# KiCad board 32X_VA2.kicad_pcb (continued)
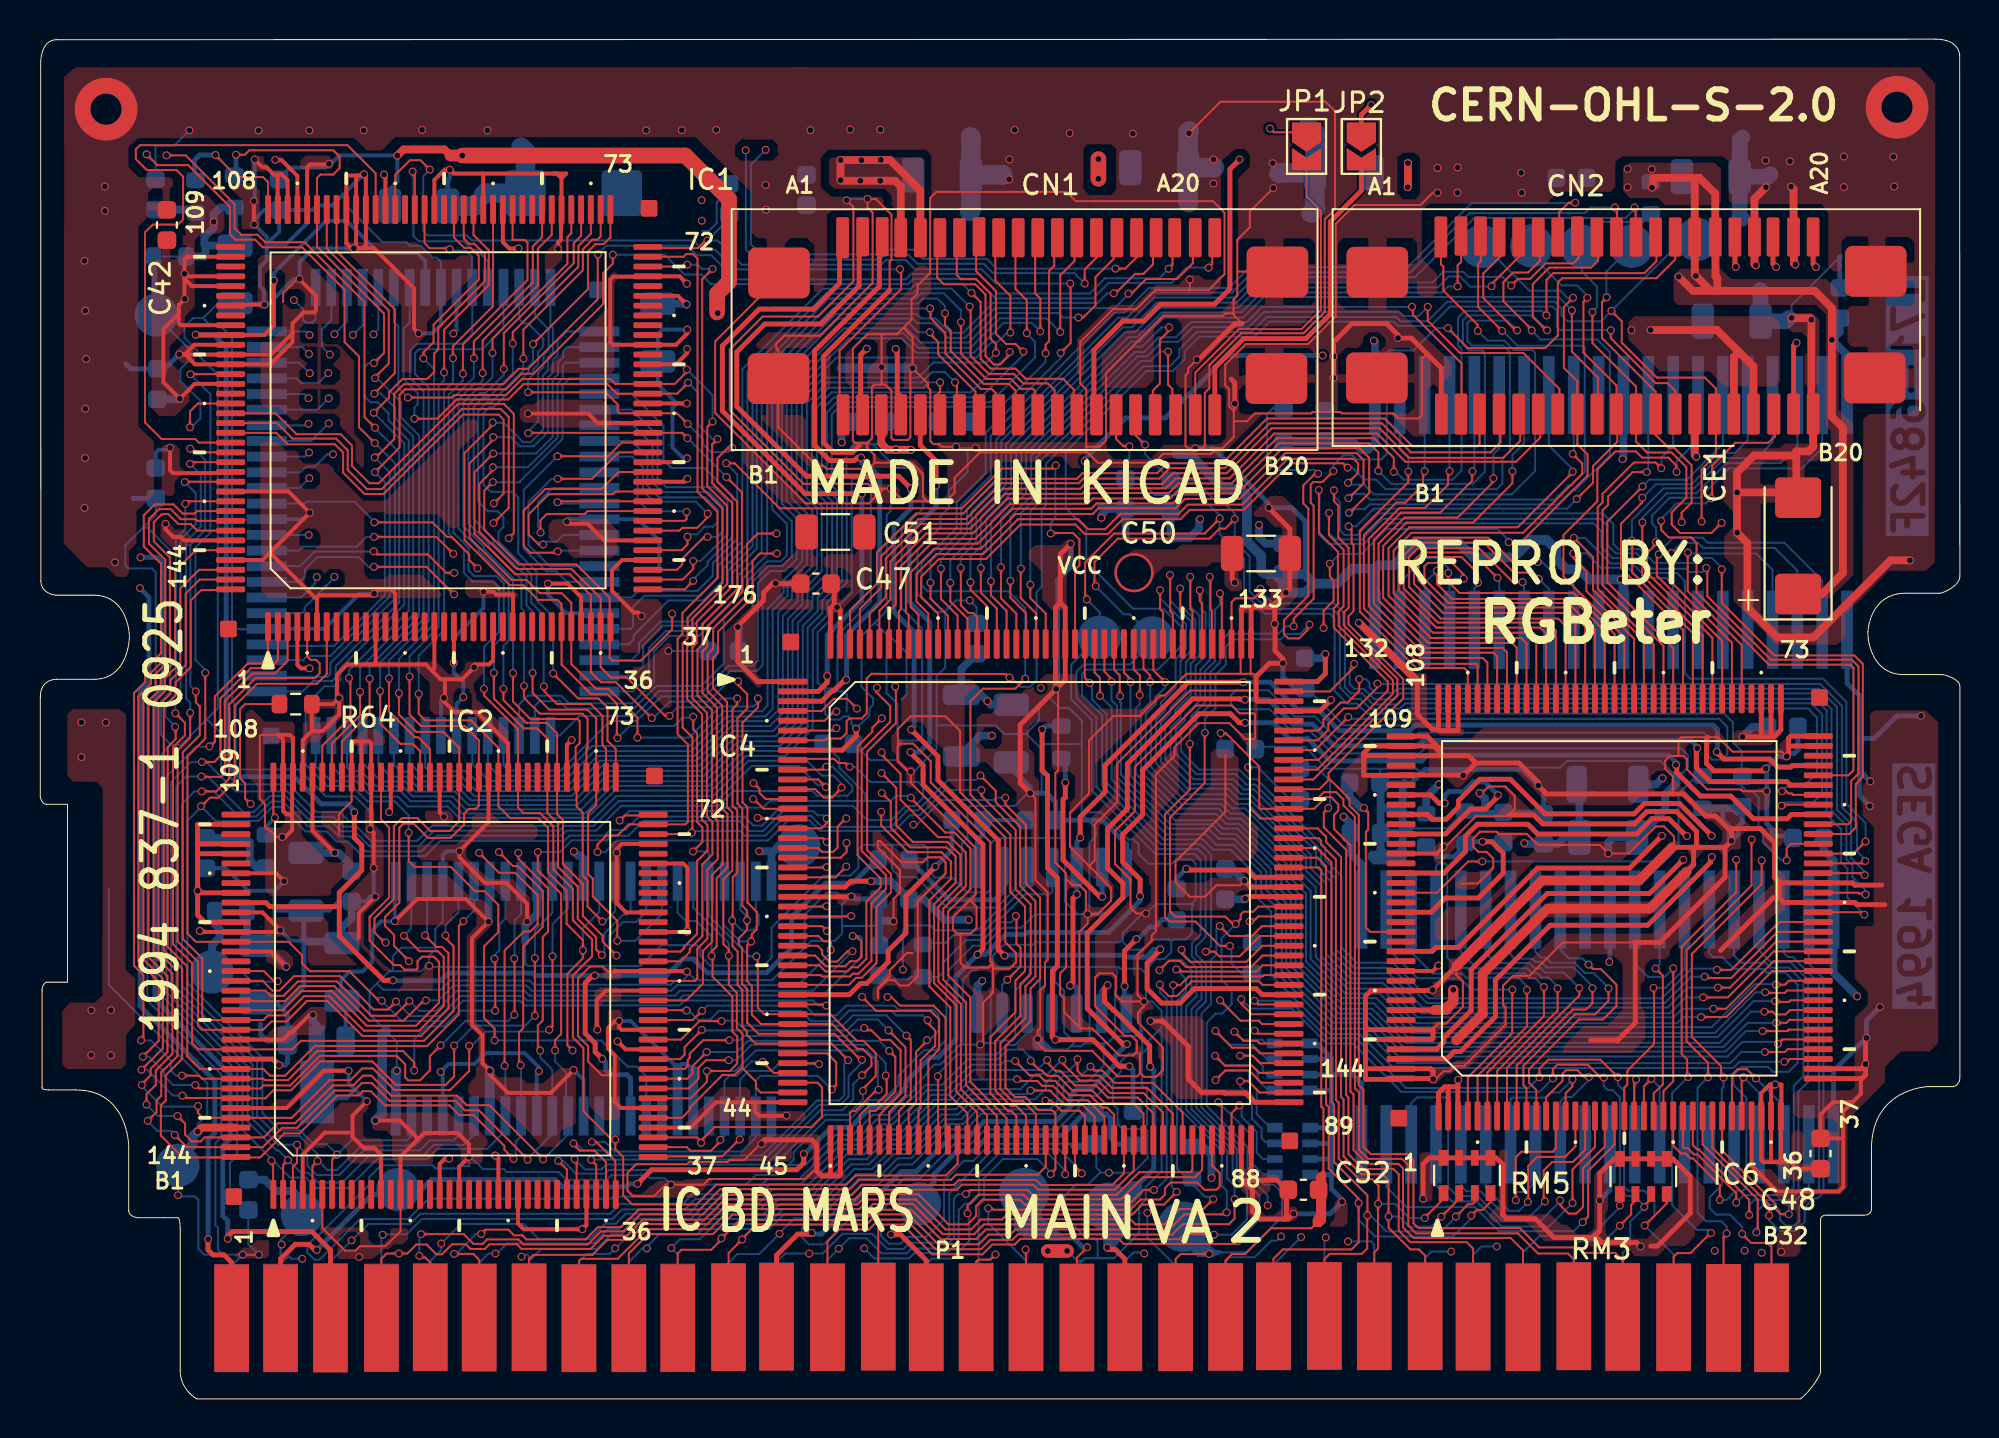
[diagram p0: board, top side]
## Routing (per net, layer and track width the routed paths; a pad name or vN(x,y) marks a point on that pad's centre or on a via; arc(x,y) is an arc through that point) (continued)
  Bottom w0.1: P1.a12 37.69,6.99 38.13,7.43 v1(39.36,7.43) 40.05,7.43 41.06,8.44 42.57,8.44 43.35,7.66 44.18,7.66 44.5,7.98 46.18,7.98 46.52,8.32 46.52,10.51 48.79,12.78 52.1,12.78 53.29,11.59 v1(53.29,11.52) ; v1(15.02,48.28) 14.72,48.28 14.09,47.65 13.64,47.65 13.35,47.36 IC5.15
VA16: length 97.1
  Top w0.1: IC4.69 52.45,11.48 v1(52.44,11.48)
  In1.Cu w0.1: v1(42.17,7.7) 40.99,6.52 38.76,6.52 38.12,7.16 35.29,7.16 34.29,8.16 32.18,8.16 31.91,7.89 31.91,7.52 31.38,6.99 29.58,6.99 28.81,7.76 26.18,7.76 24.98,6.56 24.23,6.56 23.98,6.81 23.98,8.47 22.43,10.02 13.74,10.02 12.3,11.46 12.3,12.41 12.01,12.7 11.12,12.7 10.57,13.25 10.57,29.17 9.97,29.77 9.97,38.94 14.59,43.56 14.59,46.72 14.25,47.06 v1(13.81,47.06)
  Bottom w0.1: 42.9,7.18 42.89,7.17 P1.a14 ; 42.9,7.18 42.69,7.18 v1(42.17,7.7) ; 42.9,7.18 44.46,7.18 44.73,7.45 46.39,7.45 47,8.06 47,9.66 47.32,9.98 47.63,9.98 48.04,10.39 48.04,11.53 49.03,12.52 51.6,12.52 52.44,11.68 v1(52.44,11.48) ; v1(13.81,47.06) 13.31,46.56 IC5.14
VA17: length 83.4
  Top w0.1: v1(51.7,11.49) 51.95,11.73 IC4.68 51.95,14.59 51.77,14.76 51.07,14.76 50.4,15.43 49.87,15.43 49.39,15.91 49.39,18.03 50.67,19.31 50.67,20.97 51.16,21.46 51.16,25.62 50.43,26.35 50.43,29.34 49.38,30.39 v1(49.38,30.73) ; v1(17.13,44.8) 20.11,44.8 20.86,44.05 21.09,44.05 21.98,43.16 21.98,42.88 v1(22.41,42.45)
  In1.Cu w0.1: v1(22.41,42.45) 22.41,42.17 23.17,41.41 23.17,40.5 25.18,38.49 30.12,38.49 31.46,37.15 33.57,37.15 35.43,35.29 39.74,35.29 40.31,35.86 42.96,35.86 43.89,34.93 43.89,30.14 v1(44.68,29.35)
  Bottom w0.1: v1(49.38,30.73) 48.9,30.73 48.78,30.61 46.13,30.61 44.87,29.35 v1(44.68,29.35) ; IC5.13 13.58,45.76 13.68,45.86 16.11,45.86 17.13,44.84 v1(17.13,44.8) ; v1(51.7,11.49) 51.7,11.59 51.03,12.26 49.27,12.26 48.3,11.29 48.3,10.15 48.02,9.87 48.02,4.32 P1.a16
VA18: length 88.2
  Top w0.1: v1(22.59,8.43) 22.81,8.65 23.98,8.65 24.27,8.36 24.69,8.36 24.9,8.15 27.93,8.15 28.56,8.78 29.75,8.78 30.65,9.68 33.77,9.68 34.81,10.72 41.44,10.72 41.92,11.2 46.61,11.2 46.87,11.46 51.04,11.46 51.45,11.87 IC4.67 ; P1.b6 22.49,7.11 22.19,7.41 v1(21.21,7.41)
  In1.Cu w0.1: v1(13.78,44.15) 13.82,44.11 13.82,43.67 9.37,39.22 9.37,29.51 9.97,28.91 9.97,12.94 13.49,9.42 21.6,9.42 v1(22.59,8.43)
  Bottom w0.1: v1(22.59,8.43) 22.34,8.43 21.32,7.41 v1(21.21,7.41) ; IC5.11 13.74,44.16 13.75,44.15 v1(13.78,44.15)
VA19: length 56.4
  Top w0.1: P1.b7 25.04,7.14 25.26,7.36 28.28,7.36 29.05,8.13 30.16,8.13 30.96,8.93 34.15,8.93 35.15,9.93 41.81,9.93 42.34,10.46 44.94,10.46 46.48,8.92 47.46,8.92 47.89,9.35 47.89,9.86 48.21,10.18 50.13,10.18 50.38,9.93 55.69,9.93 56.44,10.68 v1(56.98,10.68) ; v1(57.28,21.18) 57.28,21.04 57.73,20.59 58.16,20.59 58.91,21.34 62.35,21.34 62.53,21.16 IC4.101
  Bottom w0.1: v1(57.28,21.18) 57.28,20.78 57.63,20.43 57.63,11.25 57.06,10.68 v1(56.98,10.68)
VA20: length 53
  Top w0.1: IC4.102 62.59,21.66 62.52,21.59 58.76,21.59 58.32,21.15 v1(57.96,21.15) ; v1(58.14,10.58) 57.49,9.93 56.38,9.93 55.87,9.42 49.46,9.42 49.21,9.17 48.14,9.17 47.63,8.66 46.33,8.66 44.8,10.19 42.41,10.19 41.92,9.7 35.32,9.7 34.29,8.67 31.08,8.67 29.57,7.16 27.7,7.16 27.59,7.05 P1.b8
  Bottom w0.1: v1(58.14,10.58) 57.88,10.84 57.88,20.51 57.96,20.59 v1(57.96,21.15)
VA21: length 54.8
  Top w0.1: IC4.103 62.53,22.16 62.21,21.84 58.38,21.84 58.27,21.95 v1(58.12,21.95) ; P1.b9 30.14,7.43 31.13,8.42 34.44,8.42 35.44,9.42 42.09,9.42 42.63,9.96 44.65,9.96 46.19,8.42 47.79,8.42 48.29,8.92 49.37,8.92 49.63,9.18 55.77,9.18 56.03,8.92 57.51,8.92 58.29,9.7 59.5,9.7 v1(60.01,10.21)
  Bottom w0.1: v1(60.01,10.21) 59.89,10.33 59.59,10.33 58.16,11.76 58.16,20.35 58.62,20.81 58.62,21.45 v1(58.12,21.95)
VA22: length 125.4
  Top w0.1: v1(57.26,21.91) 57.73,22.38 58.31,22.38 58.62,22.07 61.94,22.07 62.53,22.66 IC4.104 ; R64.2 10.52,35.51 10.27,35.26 10.27,31.72 10.53,31.46 10.53,30.68 10.72,30.49 10.72,30.45 10.76,30.41 v1(10.81,30.41) ; v1(60.7,9.53) 60.6,9.43 58.53,9.43 57.78,8.68 55.83,8.68 55.59,8.92 49.7,8.92 49.44,8.66 48.39,8.66 47.9,8.17 46.07,8.17 44.57,9.67 42.7,9.67 42.17,9.14 35.8,9.14 v1(34.87,8.21) 34.87,8.14 34.35,7.62 32.83,7.62 32.64,7.43 P1.b10
  In1.Cu w0.1: v1(34.87,8.21) 34.72,8.36 31.95,8.36 31.58,7.99 31.58,7.51 31.3,7.23 30.56,7.23 29.63,8.16 25.17,8.16 22.71,10.62 14.32,10.62 13.82,11.12 13.82,13.4 13.56,13.66 11.55,13.66 11.17,14.04 11.17,30.08 10.84,30.41 v1(10.81,30.41) 10.76,30.46 10.76,30.49 10.57,30.68 10.57,38.68 13.86,41.97 14.15,41.97 v1(14.19,42.01)
  Bottom w0.1: IC5.7 13.38,40.96 14.11,41.69 14.11,41.93 v1(14.19,42.01) ; v1(60.7,9.53) 60.7,10.64 60.45,10.89 60.45,12.67 58.38,14.74 58.38,20.19 58.89,20.7 58.89,21.93 58.38,22.44 57.79,22.44 v1(57.26,21.91)
VA23: length 115.2
  Top w0.1: P1.b11 35.24,7.46 v1(35.93,8.15) 35.93,8.18 36.66,8.91 42.29,8.91 42.81,9.43 44.43,9.43 45.96,7.9 48.02,7.9 48.52,8.4 49.64,8.4 49.9,8.66 55.5,8.66 55.76,8.4 57.92,8.4 58.45,8.93 60.81,8.93 61.1,9.22 v1(61.1,10.21) ; v1(58.39,22.96) 58.39,22.78 58.83,22.34 61.7,22.34 62.52,23.16 IC4.105
  In1.Cu w0.1: v1(35.93,8.15) 35.93,8.67 35.1,9.5 25.46,9.5 23.94,11.02 15.9,11.02 14.83,12.09 14.83,13.3 14.07,14.06 11.72,14.06 11.58,14.2 11.58,30.52 10.97,31.13 10.97,38.51 13.79,41.33 14.4,41.33 v1(15.09,42.02)
  Bottom w0.1: IC5.6 13.44,40.16 13.58,40.3 13.58,40.46 15.09,41.97 v1(15.09,42.02) ; v1(58.39,22.96) 58.39,22.82 59.15,22.06 59.15,20.58 58.63,20.06 58.63,14.78 60.72,12.69 60.72,11.3 60.71,11.29 61.1,10.9 v1(61.1,10.21)
VCLK: length 84.5
  Top w0.25: JP2.1 67.58,65.64 v1(68.08,66.14) ; v1(54.61,21.15) 54.45,20.99 54.45,20.32 54.9,19.87 54.94,19.87 56.76,18.05 56.76,17 v1(56.78,16.98) ; P1.b19 55.49,7.15 55,7.64 54.69,7.64 v1(54.6,7.73)
  In1.Cu w0.25: v1(51.2,36.34) 51.2,35.97 53.13,34.04 53.13,31.89 56.24,28.78 56.24,27.59 55.05,26.4 55.05,25.87 55.5,25.42 55.5,24.36 54.61,23.47 v1(54.61,21.15)
  In2.Cu w0.25: v1(65.6,53.33) 65.6,57.65 64.53,58.72 64.53,62.59 v1(68.08,66.14) ; v1(53.44,47.93) 53.44,46.8 55.09,45.15 55.09,44.19 51.31,40.41 51.31,36.45 v1(51.2,36.34)
  Bottom w0.25: 54.3,19.7 54.3,20.84 v1(54.61,21.15) ; v1(53.44,47.93) 53.46,47.95 53.46,48.06 55.54,50.14 57.56,50.14 60.75,53.33 v1(65.6,53.33) ; v1(54.6,7.73) 54.72,7.86 54.72,9.99 55.2,9.99 56.97,11.76 56.97,16.79 v1(56.78,16.98)
VD0: length 30.3
  Top w0.1: v1(61.35,15.01) 60.95,14.61 IC4.86
  In1.Cu w0.1: v1(56.64,9.51) 56.64,8.54 57.19,7.99 57.19,7.41 58.41,6.19 59.99,6.19 62.03,8.23 62.03,12.5 59.79,14.74 59.79,15.46 59.99,15.66 60.7,15.66 v1(61.35,15.01)
  Bottom w0.1: v1(56.64,9.51) 56.64,8.25 58.09,6.8 P1.a20 ; RM4.2 62.56,12.26 62.23,12.59 62.23,13.65 61.46,14.42 61.46,14.9 v1(61.35,15.01)
VD1: length 24.7
  Top w0.1: v1(60.1,17.54) 60.61,17.03 62,17.03 62.37,16.66 IC4.92
  In1.Cu w0.1: v1(65.76,8.25) 64.99,9.02 64.99,13.94 62.09,16.84 60.8,16.84 v1(60.1,17.54)
  Bottom w0.1: P1.a23 65.69,8.18 v1(65.76,8.25) ; v1(60.1,17.54) 60.58,17.06 61.96,17.06 62.27,16.75 62.27,16.32 62.82,15.77 63.21,15.77
VD2: length 29.8
  Top w0.1: v1(61.09,18.77) 61.57,18.29 62.26,18.29 62.39,18.16 IC4.95
  In1.Cu w0.1: v1(74.5,7.79) 72.53,7.79 71.65,8.67 67.98,8.67 67.02,9.63 67.02,12.84 v1(61.09,18.77)
  Bottom w0.1: v1(74.5,7.79) 73.72,7.79 73.29,7.36 P1.a26 ; 63.21,18.17 62.7,18.17 62.51,18.36 61.5,18.36 v1(61.09,18.77)
VD3: length 39.4
  Top w0.1: 82.36,10.64 82.36,10.19 82.04,9.87 v1(82.04,9.81) ; IC4.98 61.98,19.66 61.44,20.2 v1(61.44,20.43) ; v1(79.97,16.42) 79.81,16.42 79.15,17.08 77.59,17.08 77.37,16.86 v1(77.37,16.38)
  Bottom w0.1: v1(61.44,20.43) 61.92,19.95 64.03,19.95 65.82,18.16 67.16,18.16 69.63,15.69 76.68,15.69 v1(77.37,16.38) ; v1(79.97,16.42) 79.97,15.99 80.18,15.78 80.42,15.78 80.79,15.41 80.79,10.71 81.14,10.36 81.55,10.36 82.02,9.89 82.02,9.83 v1(82.04,9.81) 82.04,9.78 81.32,9.06 81.32,7.85 80.94,7.47 P1.a29
VD4: length 39
  Top w0.1: 81.55,10.51 81.55,10.1 81.37,9.92 81.37,9.43 v1(80.79,8.85) ; IC4.97 62.51,19.16 62.34,19.33 61.4,19.33 v1(60.36,20.37)
  In1.Cu w0.1: v1(60.36,20.37) 61.36,19.37 62.33,19.37 70.97,10.73 80.76,10.73 81.28,10.21 81.28,9.34 v1(80.79,8.85)
  Bottom w0.1: P1.a28 78.44,7.76 78.76,8.08 80.02,8.08 v1(80.79,8.85)
VD5: length 31.7
  Top w0.1: v1(60.12,18.81) 60.98,17.95 62.11,17.95 62.4,17.66 IC4.94
  In1.Cu w0.1: v1(60.12,18.81) 60.98,17.95 61.59,17.95 65.4,14.14 65.4,9.48 66.41,8.47 71.23,8.47 v1(72.17,7.53)
  Bottom w0.1: v1(72.17,7.53) 71.16,7.53 70.84,7.21 P1.a25 ; v1(60.12,18.81) 60.83,18.1 62.02,18.1 62.73,17.39 63.13,17.39
VD6: length 26.1
  Top w0.1: IC4.91 62.47,16.16 61.85,16.78 60.62,16.78 v1(60.13,16.29)
  In1.Cu w0.1: v1(64.5,8.27) 64.79,8.56 64.79,13.84 61.99,16.64 60.48,16.64 v1(60.13,16.29)
  Bottom w0.1: P1.a22 63.09,6.86 v1(64.5,8.27) ; 63.33,13.85 62.94,13.85 62.23,14.56 62.23,15.81 61.84,16.2 61.84,16.69 61.72,16.81 60.65,16.81 v1(60.13,16.29)
VD7: length 26.9
  Top w0.1: IC4.85 60.45,15 v1(60.27,15.17)
  In1.Cu w0.1: v1(56.48,7.43) 56.65,7.26 56.65,7.05 58.04,5.66 59.74,5.66 62.29,8.21 62.29,12.77 60.27,14.79 v1(60.27,15.17)
  Bottom w0.1: 63.23,11.48 62.55,11.48 62,12.03 62,13.44 v1(60.27,15.17) ; P1.a19 55.49,7.04 55.93,7.48 56.43,7.48 v1(56.48,7.43)
VD8: length 22.3
  Top w0.1: v1(61.38,16.24) 61.8,16.24 62.38,15.66 IC4.90
  In1.Cu w0.1: v1(63.47,8.3) 63.61,8.44 63.61,13.33 61.38,15.56 v1(61.38,16.24)
  Bottom w0.1: P1.a21 60.64,7.04 60.84,7.24 62.13,7.24 62.97,8.08 63.26,8.08 63.47,8.29 v1(63.47,8.3) ; v1(61.38,16.24) 61.38,15.96 61.99,15.35 61.99,14.3 62,14.3 62.48,13.82 62.48,13.32 62.67,13.13 63.43,13.13 63.44,13.12
VD9: length 22.1
  Top w0.1: v1(61.38,17.54) 62.03,17.54 62.41,17.16 IC4.93
  In1.Cu w0.1: v1(66.9,8.05) 66.54,8.05 65.19,9.4 65.19,14.04 61.69,17.54 v1(61.38,17.54)
  Bottom w0.1: P1.a24 68.24,7.89 68.08,8.05 67.01,8.05 ; v1(61.38,17.54) 62.01,17.54 62.54,17.01 62.54,16.77 62.73,16.58 63.14,16.58
VD10: length 35.7
  Top w0.1: v1(62.12,18.82) 62.28,18.66 IC4.96 ; 80.78,10.65 80.79,10.64 v1(80.79,9.88)
  In1.Cu w0.1: v1(80.79,9.88) 80.34,9.43 74.11,9.43 73.76,9.78 69.32,9.78 67.27,11.83 67.27,12.94 62.12,18.09 v1(62.12,18.82)
  Bottom w0.1: v1(80.79,9.88) 80.79,9.8 79.32,8.33 76.69,8.33 75.84,7.48 P1.a27
VD11: length 39.9
  Top w0.1: v1(62.11,20.35) 62.3,20.16 IC4.99 ; v1(76.68,16.44) 76.68,16.88 77.14,17.34 79.79,17.34 v1(80.69,16.44) ; v1(82.06,8.86) 83.19,9.99 RM3.4
  Bottom w0.1: v1(76.68,16.44) 76.13,15.89 69.85,15.89 67.31,18.43 65.85,18.43 63.93,20.35 v1(62.11,20.35) ; v1(80.69,16.44) 80.69,16.06 81.01,15.74 81.01,10.83 81.2,10.64 82.05,10.64 82.56,10.13 82.56,9.36 v1(82.06,8.86) 83.54,7.38 P1.a30
VD12: length 34.2
  Top w0.1: IC4.117 65.35,29.16 65.78,28.73 65.78,28.46 66.54,27.7 66.54,15.44 66.67,15.31 66.67,12.39 67.58,11.48 68.66,11.48 68.97,11.17 v1(68.97,9.32) 68.97,8.75 70.08,7.64 70.52,7.64 70.84,7.32 P1.b25 ; v1(71.66,9.31) 72.58,10.23 72.58,10.46
  Bottom w0.1: v1(71.66,9.31) 71.15,8.8 70.03,8.8 69.51,9.32 v1(68.97,9.32)
VD13: length 32.1
  Top w0.1: IC4.116 65.4,28.66 65.52,28.54 65.52,28.33 66.28,27.57 66.28,15.28 66.42,15.14 66.42,12.27 67.46,11.23 68.13,11.23 68.46,10.9 68.46,9.99 v1(68.44,9.97) 68.43,9.96 68.43,7.68 68.24,7.49 P1.b24 ; v1(70.82,9.24) 70.82,9.27 71.78,10.23 71.78,10.53
  Bottom w0.1: v1(70.82,9.24) 70.03,9.24 69.3,9.97 v1(68.44,9.97)
VD14: length 35
  Top w0.1: P1.b23 65.69,7.14 65.96,7.41 67.6,7.41 67.88,7.69 67.88,9.37 v1(67.89,9.38) 67.89,10.4 66.18,12.11 66.18,15.05 66.05,15.18 66.05,27.42 65.31,28.16 IC4.115 ; 73.38,10.35 73.38,10.07 73.26,9.95 73.04,9.95 v1(72.41,9.32)
  Bottom w0.1: v1(67.89,9.38) 68.04,9.38 68.86,8.56 71.66,8.56 72.41,9.31 v1(72.41,9.32)
VD15: length 38.8
  Top w0.1: v1(73.2,9.37) 73.49,9.66 73.78,9.66 74.22,10.1 74.22,10.4 ; IC4.114 65.34,27.66 65.77,27.23 65.77,15.06 65.91,14.92 65.91,11.77 67.44,10.24 v1(67.44,10.01) 67.44,8 67.08,7.64 63.57,7.64 63.09,7.16 P1.b22
  Bottom w0.1: v1(73.2,9.37) 73.2,9.23 72.27,8.3 68.29,8.3 67.44,9.15 v1(67.44,10.01)
XEDCLK: length 54.7
  Top w0.25: v1(85.74,33.07) 86.11,32.7 88.46,32.7 88.87,32.29 89.53,32.29 89.61,32.37 IC6.69 ; v1(61.55,36.63) 58.73,36.63 54.48,32.38 54.48,31.02 53.21,29.75 v1(53.21,28.69) ; v1(53.04,25.79) 52.84,25.59 52.84,21.27 v1(52.69,21.12)
  Bottom w0.25: v1(85.74,33.07) 85.78,33.11 85.78,34.22 85.56,34.44 70.34,34.44 70.05,34.15 66.45,34.15 65.34,35.26 64.3,35.26 62.93,36.63 v1(61.55,36.63) ; v1(53.04,25.79) 53.04,25.8 IC9.5 53.04,28.47 53.21,28.64 v1(53.21,28.69) ; v1(52.69,21.12) 52.91,21.12 53.03,21 IC9.10
~{ASEL}: length 35.2
  Top w0.1: v1(65.89,30.21) 65.66,29.98 65.66,29.21 66.8,28.07 66.8,15.53 66.92,15.41 66.92,12.51 67.68,11.75 69.22,11.75 69.49,11.48 69.49,8.6 70.08,8.01 72.96,8.01 73.29,7.68 P1.b26
  Bottom w0.1: 64.34,32.32 65.24,32.32 65.98,31.58 65.98,30.3 v1(65.89,30.21)
~{AS}: length 78
  Top w0.1: v1(62.91,64.93) 63.1,64.74 JP1.1 ; v1(53.57,7.75) 53.44,7.62 53.44,7.62 53.04,7.22 P1.b18
  In2.Cu w0.1: v1(62.91,64.93) 62.13,64.93 60.72,63.52 60.72,57.28 63.33,54.67 63.33,41.46 61.36,39.49 61.36,37.44 60.6,36.68 60.6,34.86 59.99,34.25 59.99,33.2 53.68,26.89 53.68,25.55 51.19,23.06 51.19,18.84 51.49,18.54 51.49,18.02 51.12,17.65 51.12,15.6 50.61,15.09 50.61,9.6 51.92,8.29 52.82,8.29 53.36,7.75 v1(53.57,7.75)
  Bottom w0.25: v1(53.57,7.75) 53.35,7.75 52.88,8.22 51.84,8.22 50.31,9.75 50.31,10.91
~{BACKM}: length 11
  Top w0.1: IC1.93 19.2,62.62 v1(19.09,62.73)
  Bottom w0.1: v1(19.09,62.73) 19.13,62.69 19.13,59.44 19.4,59.17 21.7,59.17 22.13,58.74 22.35,58.74 22.94,58.16 IC5.36
~{BACKS}: length 30.9
  Top w0.1: IC2.92 19.97,33.22 19.37,33.82 19.2,33.82 17.88,35.14 v1(17.88,36.83)
  Bottom w0.1: IC5.37 23.73,54.73 22.65,53.65 19.41,53.65 19.21,53.45 19.21,52.39 19.91,51.69 19.91,39.79 19.92,39.78 17.88,37.74 v1(17.88,36.83)
~{BREQS}: length 36.1
  Top w0.1: v1(17.43,36.18) 17.43,34.52 18.47,33.48 19.1,33.48 19.47,33.11 IC2.93 ; IC1.92 19.7,59.07 19.96,58.81 20.94,58.81 v1(20.99,58.76)
  Bottom w0.1: v1(17.43,36.18) 17.43,37.64 19.65,39.86 19.65,51.49 18.95,52.19 18.95,53.57 19.31,53.93 21.63,53.93 22.14,54.44 IC5.35 22.14,58.37 21.81,58.69 21.06,58.69 v1(20.99,58.76)
~{CART}: length 131.5
  Top w0.1: 88.54,4.12 88.54,7.77 88.34,7.97 87.5,7.97 v1(87.04,8.43) ; v1(80.36,55.61) 80.89,55.08 80.89,53.99 82.68,52.2 85.14,52.2 85.7,51.64 85.7,48.24 84.97,47.51 v1(84.97,44.84) ; IC4.7 40.16,33.66 40.25,33.75 40.99,33.75 41.27,34.03 41.27,34.64 41.41,34.78 42.04,34.78 42.3,35.04 42.3,36.82 42.54,37.06 43.04,37.06 43.05,37.05 49.42,37.05 v1(49.6,36.87) ; v1(86.09,16.42) 85.96,16.56 85.96,17.01 84.47,18.5 84.47,22.74 88.04,26.31 v1(88.04,27.52)
  In1.Cu w0.1: v1(84.97,44.84) 85.52,45.39 86.83,45.39 90.5,41.72 90.5,29.98 v1(88.04,27.52)
  Bottom w0.1: v1(49.6,36.87) 49.69,36.87 50.17,36.39 50.63,36.39 50.98,36.74 50.98,41.24 51.24,41.5 51.24,45.45 51.47,45.68 51.47,47.81 56.44,52.78 57.78,52.78 58.28,53.28 58.28,53.65 59.17,54.54 61.97,54.54 62.73,55.3 69.36,55.3 69.58,55.08 70.97,55.08 71.97,56.08 77.47,56.08 77.81,55.74 77.81,55.39 78.12,55.08 79.83,55.08 v1(80.36,55.61) 81.34,56.59 81.35,56.59 83.41,58.65 84.76,58.65 ; v1(87.04,8.43) 87.04,8.79 86.41,9.42 85.71,9.42 85.38,9.75 85.38,10.3 86,10.92 86,15.84 86.09,15.93 86.09,16.42 v1(86.09,16.42)
~{CAS0}: length 118.9
  Top w0.1: 83.63,51.12 83.63,51.52 83.23,51.92 82.62,51.92 80.33,54.21 v1(80.33,54.62) ; v1(48.88,7.38) 48.62,7.12 48.01,7.12 47.89,7 P1.b16 ; v1(59.63,22.86) 60.08,22.86 60.32,22.62 61.36,22.62 62.4,23.66 IC4.106
  In1.Cu w0.1: v1(48.88,7.38) 49.79,8.29 51.63,8.29 52.07,7.85 52.07,7.29 52.54,6.82 54.62,6.82 55.23,7.43 55.23,8.85 56.31,9.93 56.82,9.93 57.07,9.68 57.07,8.4 57.45,8.02 57.45,7.44 58.5,6.39 59.9,6.39 60.83,7.32 60.83,8.33 61.72,9.22 61.72,12.27 59.31,14.68 59.31,22.54 v1(59.63,22.86)
  Bottom w0.1: v1(59.63,22.86) 59.9,23.13 59.9,27.81 59.36,28.35 57.33,28.35 54.33,31.35 54.33,34.94 53.3,35.97 53.3,37.05 53.52,37.27 57.17,37.27 58.38,38.48 58.38,39.46 57.45,40.39 55.91,40.39 53.52,42.78 53.52,44.48 52.47,45.53 52.47,48.41 56.6,52.54 57.95,52.54 58.55,53.14 58.55,53.53 59.31,54.29 62.12,54.29 62.89,55.06 69.23,55.06 69.45,54.84 71.12,54.84 72.11,55.83 77.36,55.83 77.58,55.61 77.58,54.76 77.71,54.63 80.32,54.63 v1(80.33,54.62)
~{CAS2}: length 28.3
  Top w0.1: P1.b21 60.64,7.08 60.96,7.4 61.64,7.4 62.96,8.72 65.02,8.72 65.64,9.34 65.64,14.83 65.53,14.94 65.53,27.04 65.41,27.16 IC4.113
~{CASEL}: length 43.2
  Top w0.1: v1(70.97,55.82) 70.97,55.11 72.62,53.46 75.86,53.46 77.7,51.62 77.7,50.88 ; IC4.155 50.95,40.16 50.17,40.93 50.17,42.43 v1(50.18,42.44)
  Bottom w0.1: v1(70.97,55.82) 70.5,55.35 69.73,55.35 69.52,55.56 62.6,55.56 61.82,54.78 58.97,54.78 58.22,54.03 57.38,54.03 56.63,53.28 56.13,53.28 50.95,48.1 50.95,46.04 50.18,45.27 v1(50.18,42.44)
~{CCAS0}: length 25.4
  Top w0.1: v1(49.16,42.51) 49.16,40.92 49.95,40.14 IC4.157 ; v1(57.76,54.77) 57.76,54.61 57.28,54.13 57.28,51.89 56.92,51.53 56.92,50.34
  Bottom w0.1: v1(49.16,42.51) 49.16,45.01 50.44,46.29 50.44,48.31 55.91,53.78 56.37,53.78 57.36,54.77 v1(57.76,54.77)
~{CCAS2}: length 39.9
  Top w0.1: v1(49.64,41.81) 49.64,40.95 50.45,40.14 IC4.156 ; v1(70.17,55.82) 70.22,55.77 70.22,55.41 72.7,52.93 72.7,50.03
  Bottom w0.1: v1(70.17,55.82) 70.16,55.81 62.5,55.81 61.73,55.04 58.88,55.04 58.1,54.26 57.23,54.26 56.48,53.51 56,53.51 50.7,48.21 50.7,46.14 49.64,45.08 v1(49.64,41.81)
~{CCE0}: length 21.5
  Top w0.1: 57.92,50.89 57.92,51.62 57.7,51.84 v1(57.7,53.53) ; IC4.154 51.45,40.14 50.66,40.93 v1(50.66,41.62)
  Bottom w0.1: v1(50.66,41.62) 50.66,45.36 51.19,45.89 51.19,47.94 56.29,53.04 56.79,53.04 57.28,53.53 v1(57.7,53.53)
~{CE0}: length 39.5
  Top w0.1: P1.b17 50.44,7.62 v1(50.42,7.64) ; v1(60.34,24.17) 60.85,23.66 61.99,23.66 62.49,24.16 IC4.107
  In1.Cu w0.1: v1(62.79,9.89) 62.62,9.72 62.62,8.24 59.83,5.45 52.65,5.45 50.46,7.64 v1(50.42,7.64)
  Bottom w0.1: v1(62.79,9.89) 62.79,10.39 61.46,11.72 61.46,12.85 59.41,14.9 59.41,19.7 59.89,20.18 59.89,22.42 60.17,22.7 60.17,24 v1(60.34,24.17)
~{CLWR}: length 48.7
  Top w0.1: 79.68,50.02 79.68,52.19 78.34,53.53 v1(78.34,55.64) ; v1(48.65,41.79) 48.65,41.07 49.45,40.28 IC4.158
  Bottom w0.1: v1(78.34,55.64) 77.66,56.32 62.59,56.32 61.54,55.27 57.47,55.27 56.24,54.04 55.82,54.04 50.2,48.42 50.2,46.43 48.65,44.88 v1(48.65,41.79)
~{DTAK}: length 74.8
  Top w0.1: v1(59.58,34.05) 59.57,34.04 59.57,31.48 57.8,29.71 57.8,24.91 58.06,24.65 60.63,24.65 61.01,24.27 v1(61.16,24.27) 61.41,24.52 61.41,24.75 61.56,24.9 62.05,24.9 62.31,25.16 IC4.109 ; v1(65.37,47.29) 65.21,47.29 64.61,46.69 64.61,45.77 64.87,45.51 64.87,41.05 63.62,39.8 63.62,39.09 63.84,38.87 64.4,38.87 64.84,39.31 64.84,39.49 v1(64.93,39.58) ; v1(59.8,7.41) 58.35,7.41 58.09,7.15 P1.b20
  Bottom w0.1: 63.59,50.66 63.09,50.66 62.76,50.33 62.76,48.06 63.34,47.48 65.18,47.48 v1(65.37,47.29) ; v1(59.8,7.41) 60.21,7.41 60.29,7.49 61.7,7.49 63.52,9.31 63.52,10.54 63.11,10.95 62.62,10.95 61.75,11.82 61.75,12.89 59.68,14.96 59.68,19.24 60.13,19.69 60.46,19.69 60.95,20.18 60.95,20.9 60.43,21.42 60.43,23.54 v1(61.16,24.27) ; v1(59.8,7.41) 59.8,7.6 58.66,8.74 ; v1(59.8,7.41) 59.8,7.51 58.37,8.94 ; v1(64.93,39.58) 64.44,39.09 63.73,39.09 63.46,38.82 61.01,38.82 60.65,38.46 60.65,37.52 60.12,36.99 60.12,35.3 59.58,34.76 v1(59.58,34.05)
~{HSYNC}: length 132.4
  Top w0.1: v1(61.27,8.07) 61.12,7.92 55.44,7.92 55.18,8.18 50.16,8.18 49.87,7.89 48.72,7.89 48.22,7.39 45.65,7.39 44.13,8.91 43.1,8.91 42.89,8.7 P1.b14 ; v1(56.52,48.77) 56.04,49.25 CN1.B16 ; v1(61.11,44.97) 60.62,44.48 60.33,44.48 59.82,43.97 55.13,43.97 53.94,42.78 53.94,41.6 v1(54,41.54) ; IC6.65 89.1,30.37 v1(89.05,30.32)
  Bottom w0.1: v1(56.52,48.77) 56.52,48.29 57.86,46.95 59.07,46.95 60.03,45.99 60.37,45.99 61.11,45.25 v1(61.11,44.97) 61.11,43.82 61.87,43.06 61.87,41.27 62.76,40.38 66.1,40.38 66.48,40 66.48,36.35 67.06,35.77 67.54,35.77 68.03,35.28 69.55,35.28 69.82,35.55 90.57,35.55 91.13,34.99 91.13,30.94 90.68,30.49 89.22,30.49 v1(89.05,30.32) ; v1(54,41.54) 55.44,40.1 55.75,40.1 56.82,39.03 56.82,38.61 55.75,37.54 53.39,37.54 53.02,37.17 53.02,35.83 54.04,34.81 54.04,31.27 57.21,28.1 59.23,28.1 59.62,27.71 59.62,23.61 59.13,23.12 59.13,22.72 59.64,22.21 59.64,20.32 59.14,19.82 59.14,14.88 61.21,12.81 61.21,11.54 62.37,10.38 62.37,9.18 61.27,8.08 v1(61.27,8.07)
~{LWR}: length 39.3
  Top w0.1: P1.b28 78.44,7.13 78.14,7.43 76.61,7.43 75.58,8.46 70.38,8.46 69.98,8.86 69.98,11.94 69.65,12.27 67.92,12.27 67.46,12.73 67.46,15.67 67.25,15.88 67.25,29.75 66.66,30.34 66.66,30.64 66.29,31.01 65.66,31.01 65.31,30.66 IC4.120
~{M3}: length 72.2
  Top w0.1: v1(79.39,55.55) 79.39,53.97 81.62,51.74 CN2.B11 81.62,48.93 82.18,48.37 83.44,48.37 84.19,47.62 84.19,46.06 83.44,45.31 83.44,44.69 83.87,44.26 85.47,44.26 v1(85.99,44.78) ; v1(84.28,16.45) 84.23,16.5 84.23,17.35 83.95,17.63 83.95,23.11 86.74,25.9 v1(86.74,27.56) ; P1.b30 83.54,7.26 83.73,7.45 84.4,7.45 85.43,8.48 v1(85.45,8.48)
  In1.Cu w0.1: v1(86.74,27.56) 87.12,27.94 87.12,31.84 89.53,34.25 89.53,40.92 85.99,44.46 v1(85.99,44.78)
  Bottom w0.1: v1(84.28,16.45) 83.46,15.63 83.46,9.9 84.72,8.64 85.29,8.64 v1(85.45,8.48) ; R66.1 81.98,60.16 79.75,60.16 78.86,59.27 78.86,57.62 79.62,56.86 79.62,55.78 v1(79.39,55.55)
~{MRES}: length 134.7
  Top w0.25: v1(44.53,33.06) 44.53,33.03 45.18,32.38 45.18,31.39 48.24,28.33 48.24,22.99 v1(47.96,22.71) ; v1(45.84,46.68) 45.84,47.94 45.04,48.74 CN1.B5 ; v1(56.27,25.69) 56.27,26.56 55.38,27.45 55.38,28.84 56.4,29.86 56.4,32.14 59.28,35.02 60.88,35.02 61.34,34.56 v1(61.64,34.56) ; v1(14.19,7.61) 14.09,7.61 13.8,7.9 13.09,7.9 12.34,7.15 P1.b2 ; IC6.64 89.56,29.87 89.34,29.65 87.62,29.65 86.46,30.81 84.91,30.81 83.7,32.02 83.7,32.37 v1(83.66,32.41) ; v1(39.08,12.52) 39.08,12.07 38.72,11.71 31.3,11.71 v1(30.58,10.99)
  Bottom w0.25: v1(45.84,46.68) 45.84,45.6 44.47,44.23 44.47,40.75 45.52,39.7 45.52,33.57 45.01,33.06 v1(44.53,33.06) ; v1(39.08,12.52) 39.12,12.52 40.48,13.88 41.47,13.88 42.49,14.9 43.25,14.9 44.3,15.95 44.3,16.21 45.55,17.46 45.95,17.46 46.85,18.36 46.85,21.59 47.96,22.7 v1(47.96,22.71) 48.37,22.71 49.4,23.74 50.41,23.74 50.51,23.84 54.65,23.84 56.27,25.46 v1(56.27,25.69) ; v1(83.66,32.41) 83.7,32.45 83.7,32.5 83.3,32.9 70.96,32.9 70.67,32.61 65.98,32.61 64.85,33.74 63.9,33.74 63.08,34.56 v1(61.64,34.56) ; v1(14.19,7.61) 17.02,10.44 19.28,10.44 20.05,11.21 26.37,11.21 26.74,10.84 30.02,10.84 30.17,10.99 v1(30.58,10.99)
~{SHBS}: length 78.3
  Top w0.1: IC1.76 27.7,59.45 27.32,59.07 27.32,58.04 23.75,54.47 v1(23.75,52.64) ; IC4.60 47.95,14.64 46.88,15.7 46.88,20.11 45.74,21.25 45.74,25.28 46.84,26.38 46.84,27.73 46.38,28.19 44.53,28.19 43.53,29.19 43.53,30.51 v1(43.07,30.97) ; IC2.76 27.97,33.24 28.03,33.3 28.03,34.76 27.77,35.02 25.59,35.02 24.78,35.83 v1(24.78,36.44)
  In1.Cu w0.1: v1(43.07,30.97) 42.59,31.45 42.59,32.41 41.86,33.14 35.56,33.14 34.44,34.26 31.05,34.26 29.47,35.84 25.38,35.84 v1(24.78,36.44)
  Bottom w0.1: v1(23.75,52.64) 23.75,52.35 22.81,51.41 22.52,51.41 21.94,50.83 21.94,44.75 22.98,43.71 22.98,43.56 24.65,41.89 24.65,40.41 24.78,40.28 v1(24.78,36.44)
~{SHCAS}: length 49.1
  Top w0.1: v1(22.22,53.19) 22.22,54.05 25.23,57.06 25.23,58.9 25.7,59.37 IC1.80 ; v1(28.76,22.68) 28.47,22.97 28.47,23.59 27.53,24.53 27.53,26.18 26.52,27.19 26.52,29.4 25.97,29.95 IC2.80 25.97,33.76 25.46,34.27 24.77,34.27 23.24,35.8 v1(23.24,37.11)
  Bottom w0.1: v1(22.22,53.19) 22.22,52.21 21.18,51.17 21.18,44.27 21.95,43.5 21.95,42.34 22.24,42.05 23.38,42.05 23.75,41.68 23.75,39.01 23.24,38.5 v1(23.24,37.11) ; IC3.16 30.23,24.93 30.05,24.75 29.85,24.75 28.89,23.79 28.89,22.81 v1(28.76,22.68)
~{SHCKE}: length 67.3
  Top w0.1: v1(17.1,50.4) 17.89,51.19 17.89,51.45 18.57,52.13 19.83,52.13 20.19,52.49 20.19,53.43 20.4,53.64 20.4,54.74 22.78,57.12 22.78,58.5 22.24,59.04 21.98,59.04 21.71,59.31 21.71,59.58 21.7,59.59 IC1.88 ; v1(18.89,28.94) 18.89,27.49 19.19,27.19 21.04,27.19 22.28,25.95 22.77,25.95 23.47,25.25 23.47,23.86 22.74,23.13 22.74,19.46 23.28,18.92 v1(23.28,18.32)
  Bottom w0.1: v1(23.28,18.32) 28.74,18.32 30.08,16.98 30.55,16.98 31.03,16.5 IC3.34 ; v1(17.1,50.4) 18.66,48.84 18.66,40.6 15.4,37.34 15.4,36.75 15.07,36.42 14.59,36.42 13.62,35.45 13.62,32.43 14.73,31.32 16,31.32 16.78,30.54 18.17,30.54 18.89,29.82 v1(18.89,28.94)
~{SHCS0M}: length 80.8
  Top w0.1: IC4.64 49.95,14.47 49.71,14.7 49.53,14.7 48.62,15.61 48.62,18.49 49.9,19.77 49.9,21.38 50.39,21.87 50.39,25.16 49.64,25.91 49.64,28.84 47.6,30.88 47.6,35.66 48.24,36.3 49.89,36.3 v1(50.4,36.81) ; v1(52.21,53.46) 52.72,53.97 52.72,56.99 v1(52.7,57.01) ; 31.35,58.82 33.68,58.82 34.07,59.21 v1(34.16,59.21)
  Bottom w0.1: v1(52.21,53.46) 52.21,53.2 48.38,49.37 48.38,47.31 46.89,45.82 46.89,44.51 45.1,42.72 45.1,41.59 45.41,41.28 49.54,41.28 50.4,40.42 v1(50.4,36.81) ; v1(52.7,57.01) 48.9,57.01 48.17,57.74 44.76,57.74 44.29,58.21 43.28,58.21 43.04,57.97 35.92,57.97 34.68,59.21 v1(34.16,59.21) 35.26,60.31 35.26,60.7
~{SHCS0S}: length 41.6
  Top w0.1: v1(44.55,30.73) 44.55,30.71 46.31,28.95 46.78,28.95 47.6,28.13 47.6,26.05 46.46,24.91 46.46,21.65 47.59,20.52 47.59,16.21 49.45,14.36 IC4.63 ; v1(29.67,29.56) 29.93,29.82 31.17,29.82
  Bottom w0.1: v1(44.55,30.73) 44.46,30.82 43.79,30.82 43.53,30.56 42.23,30.56 ; 42.23,30.56 42.23,30.93 40.89,32.27 40.89,32.73 40.18,33.44 40.14,33.44 ; 42.23,30.56 37.34,30.56 37,30.22 35.04,30.22 34.87,30.05 30.16,30.05 v1(29.67,29.56)
